# KiCad board PSEC5_Board.kicad_pcb (continued)
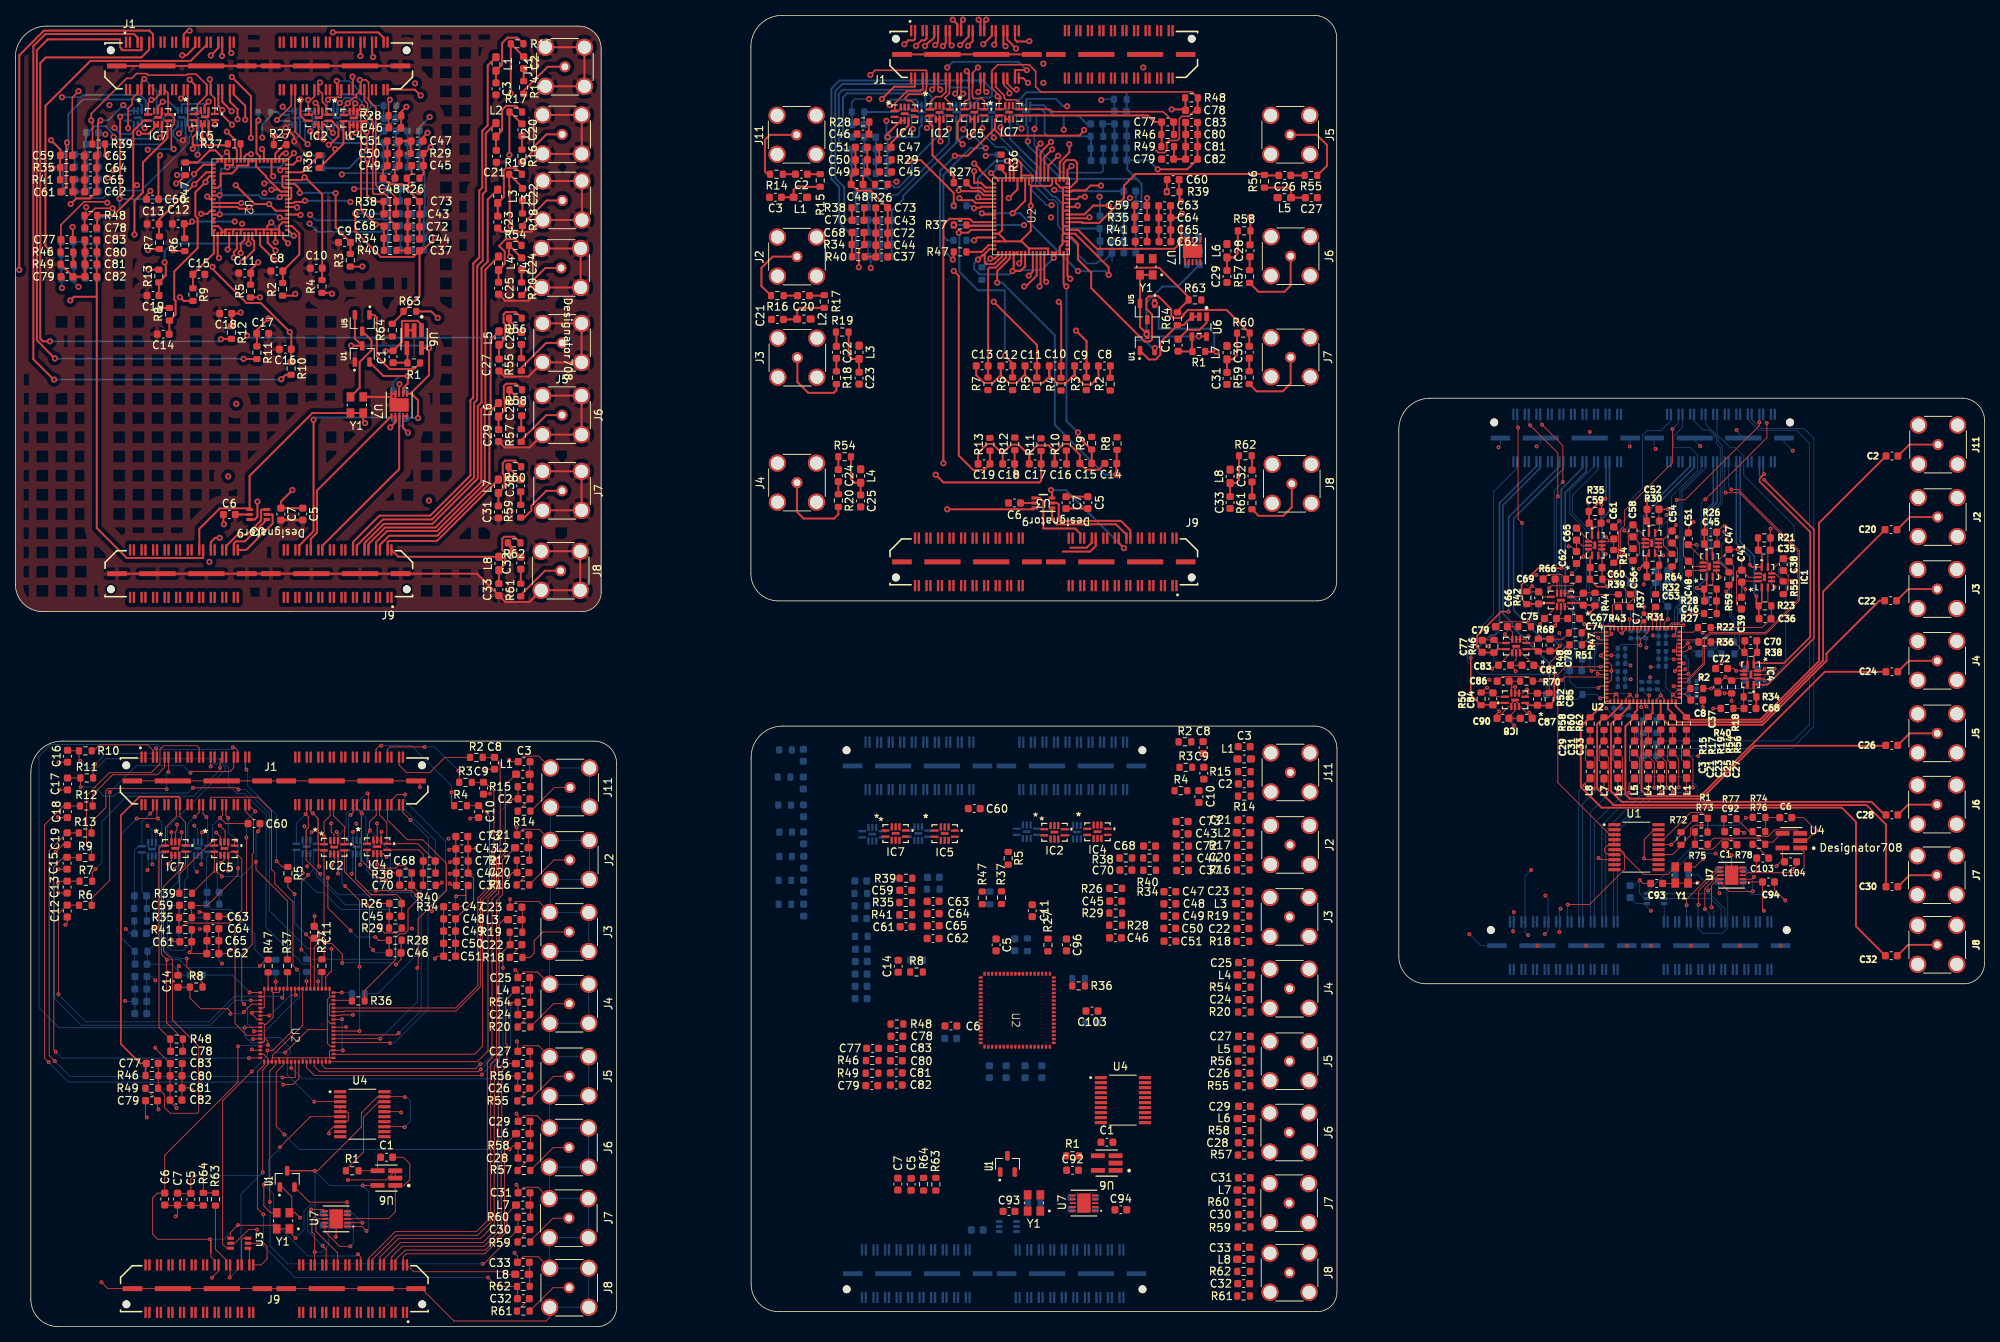
[diagram p0: board, top side]
## Routing (per net, layer and track width the routed paths; a pad name or vN(x,y) marks a point on that pad's centre or on a via; arc(x,y) is an arc through that point) (continued)
/ADC_Buffer/VDD33: length 50.9
  Top w0.25: v2(120.34,154.26) 120.32,154.26 120.21,154.37 120.22,154.38 IC2#5.4 IC2#5.3 ; IC4.4 IC4.3 113.45,155.23 v2(113.45,154.8) ; C44#3.2 C73#2.2 111.22,147.85 109.51,147.85 C48#2.2 108.71,149.72 C49#3.2 109.27,153.46 C51.2
  In1.Cu w0.25: v2(113.3,156.92) 113.71,157.33 v2(113.71,158.96)
  In2.Cu w0.25: 199.84,153.7 199.3,154.24 192.96,154.24
  Bottom w0.25: C41#5.2 113.45,150.12 v2(113.45,154.8) ; v2(113.45,154.8) 113.3,154.95 v2(113.3,156.92) ; v2(113.45,154.8) 117.36,154.8 117.57,155 117.57,156.01 117.88,156.32 IC1#5.9 ; IC1#5.4 IC1#5.3 117.38,159.4 117.11,159.67 113.86,159.67 113.71,159.52 v2(113.71,158.96)
GND: length 1361.1
  Top w0.1: 217.36,74.67 218.21,73.82 v1(218.21,70.15) ; 230.59,97.15 230.59,95.95 R55#5.2 ; 230.59,97.15 230.96,97.15 v1(231.06,97.05) ; 230.59,97.15 230.59,97.77 C38.2 ; 222.19,82.27 v1(222.34,82.42) ; v1(222.34,82.42) R18#2.2 ; v1(222.34,82.42) 222.29,82.47 C37#2.2 ; 32.25,42.87 32.37,43 U2#3.19 ; 32.25,42.87 32.15,42.97 U2#3.17 ; 32.25,42.87 32.37,42.75 32.37,41.6 32.25,41.47 U2#3.14 U2#3.13 30.9,40.97 v1(30.75,40.82) 30.75,40.7 31.47,39.97 U2#3.11 ; C94.2 228.82,56.87 v1(230.21,55.47) ; v1(38.92,53.42) 38.87,53.37 C11#2.2 39.6,51.37 39.6,50.12 38.87,49.39 U2#3.32 ; v1(41.67,11.67) 41.72,11.72 U7#3.11 42.22,14.52 U7#3.4 U7#3.5 ; C72#5.1 C37#4.2 56.76,57.41 v1(56.5,57.67) ; C72#5.1 56.66,60.58 v1(56.52,60.45) ; C72#5.1 57.3,60.63 C43#4.1 ; C12#2.2 6.74,52.54 v1(6.5,52.3) ; v1(210.51,70.02) 211.24,70.75 211.24,74.05 210.61,74.67 ; 209.79,103.44 209.79,101.86 C56.1 ; 209.79,103.44 209.79,103.71 C58.1 212.01,102.74 IC3.8 212.36,102.47 IC3.11 212.36,101.47 IC3.10 ; 209.79,103.44 209.44,103.44 v1(209.26,103.61) ; R29#4.2 49.63,51.24 48.01,51.24 v1(47.2,52.05) ; v1(65.17,18.47) 65.39,18.26 C31#2.2 66.11,18.14 67.97,18.14 J7.2 ; IC2#3.10 41.06,63.16 41.06,62.55 41.21,62.41 IC2#3.11 41.72,62.41 41.97,62.65 IC2#3.8 41.97,64.2 v1(41.77,64.4) ; J8#2.2 68.01,9.1 66.02,9.1 C33#2.2 65.3,9.22 v1(64.92,9.6) ; J2#4.2 68.12,64.73 65.97,64.73 C21#3.2 65.25,64.92 v1(65.17,65) ; v1(215.84,97.17) 215.49,97.52 R64#4.2 216.19,99.61 216.19,101.29 C54.2 ; R64#2.2 19.51,15.76 C6#2.2 ; J3#3.2 68.1,55.31 65.06,55.31 C23#3.2 64.34,55.61 v1(64.35,55.62) ; v1(61.22,72.42) 61.35,72.55 C8#5.2 ; v1(202.47,98.05) R66.2 201.07,97.9 199.34,97.9 C69.2 ; v1(227.51,84.1) 227.26,84.35 IC4#2.8 225.94,84.35 225.74,84.55 IC4#2.11 225.74,85.25 225.84,85.35 IC4#2.10 227.26,85.35 v1(227.51,85.6) ; v1(5.57,56.47) 5.62,56.43 C13#2.2 ; v1(222.54,95.65) 222.89,96 R59#3.2 223.51,97.14 223.51,98.96 C47#5.2 ; v1(198.29,91.42) 198.29,91.55 C75.1 200.44,93.69 IC6.8 200.54,94.05 IC6.11 201.54,94.05 IC6.10 201.92,93.69 C74.1 204.09,91.52 v1(204.09,91.42) ; U2#5.46 216.26,85.87 216.06,85.67 216.06,85.5 v1(215.86,85.3) ; J6#3.2 67.88,27.44 66.12,27.44 C29#5.2 65.4,27.5 v1(65.17,27.72) ; v1(207.61,90.15) 207.46,90.3 U2#5.19 207.46,90.02 207.31,89.87 U2#5.17 ; C79#5.2 193.15,91.72 196.52,91.72 ; 218.49,66.15 216.69,64.35 R72.1 216.66,64 v1(215.39,62.72) U1#2.16 ; IC1.8 227.04,98.02 IC1.11 227.04,97.02 IC1.10 224.68,97.02 C41.1 ; C18#2.2 5.61,66.24 v1(5.52,66.32) ; U2#5.40 216.26,88.87 216.06,88.67 216.06,87.95 ; v1(224.89,64.25) 224.71,64.42 C92.1 ; C10#3.2 59.27,66.25 v1(59.15,66.12) ; v1(31.42,12.62) 30.32,12.62 28.55,10.85 U3#2.5 ; v1(211.86,93.65) 211.84,93.62 C7#5.2 ; 215.56,74.67 216.36,73.87 v1(216.36,70.17) ; v1(64.22,73.75) 64.45,73.52 C3#3.2 66.12,74.25 68.07,74.25 J11.2 ; C41.1 224.56,96.42 v1(225.04,95.95) ; C41.1 224.26,96.6 ; C41.1 224.56,94.97 C39.1 ; v1(208.64,104.84) 207.91,104.11 C61#5.2 208.54,103.44 208.54,100.04 R14#3.2 ; C47#3.2 C48#5.1 55.7,51.48 C49.1 C50.1 55.69,48.22 C51#4.1 54.88,48.2 v1(54.57,47.9) ; C17#3.2 5.72,69.85 v1(5.7,69.87) ; v1(43.9,40.57) 42.37,40.57 42.27,40.47 U2#3.43 40.97,40.47 40.87,40.57 40.87,41.87 40.97,41.97 U2#3.40 ; IC4#3.10 46.66,63.22 46.66,62.61 46.8,62.47 IC4#3.11 47.32,62.47 47.56,62.71 IC4#3.8 47.56,64.33 v1(47.62,64.4) ; C73.1 C43#4.1 ; C43#4.1 56.53,62.18 v1(56.42,62.07) ; 216.06,87.95 216.06,87.42 216.11,87.37 U2#5.43 ; 216.06,87.95 v1(215.71,87.95) ; v1(219.54,60.87) 218.49,59.82 Y1#4.2 ; U2#5.3 U2#5.4 206.14,83.37 v1(205.91,83.15) ; v1(205.28,69.99) 205.46,70.17 205.46,74.05 204.84,74.67 ; R40#2.2 v1(220.84,80.45) ; v1(213.19,70.15) 213.19,73.45 212.41,74.22 212.41,74.67 ; C93#2.1 211.71,57.67 v1(211.29,58.1) ; J4#4.2 67.92,46.15 66.08,46.15 C25#5.2 65.36,46.06 v1(65.02,46.4) ; v1(208.95,70) 209.06,70.1 209.06,74.07 C29#2.2 ; v1(214.76,70.15) 214.76,73.47 214.01,74.22 214.01,74.67 ; C19#3.2 6.19,62.72 v1(5.25,61.77) ; C64#2.1 C65#2.1 24.92,48.57 C62#5.1 22.8,48.55 v1(22.65,48.7) 22.94,48.99 C61.2 22.94,50.1 R41.2 ; J8#2.2 69.5,1.19 69.04,0.73 57.06,0.73 52.86,4.94 J9.G1 J9.G8 12.03,4.94 v1(11.2,5.77) ; U4#3.16 50.07,27.97 v1(50.17,27.87) ; 222.85,99.42 222.86,99.44 ; C51#5.1 v1(218.66,101.76) ; C51#5.1 217.61,101.57 ; C51#5.1 217.72,101.87 ; C51#5.1 219.51,99.86 IC2#2.8 219.86,99.42 IC2#2.11 219.86,98.42 IC2#2.10 218,98.42 C48#4.1 217.64,96.99 v1(217.71,96.91) ; v1(20.3,64.35) IC7#5.10 ; C104.1 231.69,60.05 v1(231.16,59.52) ; 196.52,91.72 196.72,91.92 v1(196.82,91.92) ; 196.52,91.72 R68.2 ; v1(61.75,69.37) 61.67,69.3 C9#4.2 ; U2#3.46 43,38.97 v1(43.02,39) ; v1(5.62,59.52) 5.64,59.54 C15#3.2 ; v1(21.27,46.92) 21.14,46.79 C14#4.2 ; v1(219.51,80.65) 219.49,80.67 C8.2 ; J5#5.2 68.08,36.55 66.08,36.55 C27#4.2 65.36,36.99 v1(65.22,37.12) ; v1(56.52,58.95) 56.6,59.02 C44.1 ; C62#3.1 v1(203.95,100.2) 204.61,100.86 IC5#3.10 204.96,101.17 IC5#3.11 205.46,101.71 205,102.17 IC5#3.8 204.61,102.36 C65#5.1 ; U2#5.14 U2#5.13 206.74,87.87 v1(206.21,87.35) 206.69,86.87 U2#5.11 ; v1(20.85,14.35) 21.09,14.59 C7.2 ; U6#3.2 U6#3.3 48.23,19.1 v1(43.25,19.1) ; v1(192.1,85.62) 192.55,86.07 C83#4.1 194.54,87.7 IC7#2.8 194.71,88.05 IC7#2.11 195.71,88.05 IC7#2.10 195.9,87.7 C81#4.1 198,86.07 v1(198.47,85.6) ; C72#4.1 221.16,85.67 v1(222.04,86.55) ; v1(21.62,64.35) 21.62,63.41 IC7#5.8 21.3,62.48 21.06,62.24 IC7#5.11 ; v1(18.2,36.3) 18.2,36.2 C83#5.1 20.11,34.2 C82#3.1 20.11,29.28 v1(20.95,28.45) ; v1(23.95,53.95) 24.35,53.95 C63.1 ; v1(52.62,70.2) 52.62,70.51 J1#2.G8 J1#2.G7 J1#2.G1 ; v1(5.6,73.45) 5.61,73.46 C16.2 ; v1(193,80.07) 192.73,79.8 C90.1 194.25,80.7 IC8.8 194.58,81.05 IC8.11 195.58,81.05 IC8.10 195.78,80.7 C87.1 197.31,79.54 v1(196.93,79.92) ; 206.64,74.67 207.26,74.05 207.26,70.03 v1(207.08,69.85) ; C1#5.1 222.39,62.2 v1(223.24,61.34) U7#5.11 224.24,59.75 U7#5.5 U7#5.4 ; R49#3.2 18.48,29.45 C79#2.2 18.48,28.41 v1(18.62,28.27) ; v1(37.05,14.17) 36.4,14.82 Y1#3.2 35.96,15.14 35.96,16.9 34.7,18.16 U1#5.1 ; 213.96,90.67 U2#5.32 213.96,92.4 v1(214.04,92.47) ; v1(55.45,57.8) 55.08,57.43 R40.2 ; U2#3.4 U2#3.3 30.85,35.97 v1(30.75,36.07) ; U4.2 232.96,63.25 v1(234.29,64.57) 232.61,66.25 C6.2 ; IC5#2.8 27.69,62.47 27.44,62.23 IC5#2.11 26.93,62.23 26.78,62.37 26.78,62.98 IC5#2.10 26.69,63.73 v1(26.12,64.3) ; C86.2 193.38,84.62 196.75,84.62 R70.2 198.3,84 v1(198.43,84.12)
  Top w0.25: v2(45.09,158.7) 44.54,158.15 IC4#4.8 44.48,158.15 44.48,158.15 44.48,157.38 44.4,157.3 IC4#4.11 ; R40#5.2 111.88,139.24 C37#5.2 C73#2.1 ; C5.2 C7#3.2 ; U7#2.5 U7#2.4 152.63,140.48 U7#2.11 152.89,139.98 152.13,139.21 U7#2.6 ; J2#5.2 J2#5.2 J2#5.2 J2#5.2 ; C48#3.1 49.37,150.53 C49#2.1 49.93,154.28 C51#3.1 C47#2.2 51.43,154.23 R29#3.2 ; J7#3.2 J7#3.2 J7#3.2 J7#3.2 ; J11#5.2 J11#5.2 J11#5.2 J11#5.2 ; 148.8,141.19 C62#2.1 ; U2#4.3 U2#4.4 ; J3#4.2 J3#4.2 J3#4.2 J3#4.2 67.09,142.5 63.21,142.5 C23#2.2 ; R49#2.2 7.47,136.67 C79#3.2 C82#2.1 C83#3.1 ; U2.11 131.35,137.98 131.22,137.85 ; U6#4.2 U6#4.3 151.95,130.35 R64#5.2 151.14,130.3 148.94,128.09 148.94,126.49 148.31,125.87 147.44,125.87 U1#3.1 ; C61#4.2 147.21,142.77 R41#2.2 ; 128.42,113.55 128.42,112.28 ; 128.42,113.55 127.11,114.87 126.41,114.87 125.22,113.68 C19.2 ; 128.42,113.55 128.42,113.7 129.5,114.78 130.5,114.78 131.88,113.4 C17.2 131.88,113.65 132.9,114.68 134.4,114.68 135.18,113.9 C16#3.2 135.18,113.7 136.34,114.87 137.07,114.87 138.46,113.47 C15#2.2 139.26,111.53 140.91,111.53 C14#3.2 ; IC5#5.8 25.11,158.29 25.11,157.53 25.03,157.45 IC5#5.11 ; U2.46 132.35,149.73 132.27,149.81 130.87,149.81 130.85,149.79 U2.43 130.85,151.36 130.37,151.83 129.13,151.83 v2(128.99,151.69) 129.03,151.73 129.21,151.73 129.35,151.6 U2.40 ; U2.13 U2.14 129.85,137.5 v2(129.71,137.37) 130.74,137.37 131.22,137.85 ; U2.17 128.35,139.29 127.33,138.27 126.3,138.27 126.09,138.49 126.09,139.61 ; 131.22,137.85 131.3,137.93 ; U6.3 U6.2 ; C73#4.1 C37#3.2 50.99,140.05 R40#3.2 ; J1#3.G8 J1#3.G7 J1#3.G1 ; C27#3.2 63.64,123.65 66.73,123.65 J5.2 J5.2 J5.2 J5.2 ; IC2#4.11 39.76,157.35 39.92,157.5 39.92,158.19 IC2#4.8 ; C47#4.2 112.37,151.9 R29.2 ; 126.09,139.61 125.9,139.42 125.76,139.42 v2(125.21,138.87) ; 126.09,139.61 126.72,140.24 U2.19 ; J9#2.G8 J9#2.G1 60.04,97.99 C33#3.2 63.72,94.31 66.87,94.31 J8#5.2 J8#5.2 J8#5.2 J8#5.2 ; U2.4 135.21,139.74 ; 135.21,139.74 135.21,139.23 v2(135.07,139.09) 134.85,138.87 ; 135.21,139.74 U2.3 ; C48#2.1 110.26,149.72 C49#3.1 110.81,150.29 C51.1 ; Y1.2 147.94,139.08 ; v2(36.26,154.24) 36.26,154.91 v2(35.18,156) ; C25.2 63.7,133.51 66.73,133.51 J4.2 J4.2 J4.2 J4.2 ; U2#4.13 U2#4.14 ; U2#4.40 34.76,149.72 34.74,149.7 34.74,148.4 34.91,148.22 U2#4.43 35.86,148.22 35.89,148.2 35.89,146.85 35.76,146.72 U2#4.46 ; J1.G1 J1.G4 ; R49#4.2 150.71,152 C79.2 C82.1 C83#2.1 ; C13.2 124.98,123.83 126.01,122.8 127.15,122.8 128.18,123.84 C12.2 128.18,123.83 129.21,122.8 130.21,122.8 131.33,123.93 C11.2 131.33,123.83 132.36,122.8 133.65,122.8 134.48,123.64 C10.2 134.48,123.78 135.51,122.75 136.6,122.75 137.78,123.94 C9#3.2 137.78,123.79 138.97,122.6 139.95,122.6 140.88,123.54 C8#2.2 ; J6#5.2 J6#5.2 J6#5.2 J6#5.2 66.9,114.42 63.63,114.42 C29#4.2 ; 157.69,135.89 157.71,135.87 ; U3#3.5 C6#5.2 ; C63#4.1 9.01,152.3 C62#4.1 ; U7#4.5 U7#4.4 49.42,120.44 U7#4.11 48.87,121 Y1#2.2 ; C7#4.2 C5#3.2 ; U2.32 125.44,146.74 v2(125.21,146.96) ; C61#3.2 R41#4.2 ; IC7#3.11 18.81,157.37 19.04,157.6 19.04,158.21 IC7#3.8 ; C63#3.1 148.71,141.24 ; C6#4.2 U3.5
  Bottom w0.1: v1(212.72,49.58) 213.16,49.58 213.18,49.56 ; v1(230.21,55.47) 229.44,56.25 225.82,56.25 224.74,57.33 C34#3.2 224.73,57.94 C4#5.1 ; v1(200.84,90.27) 200.84,90.07 C13#4.2 ; R33#5.2 51.53,51.86 v1(51.57,51.82) ; C65#5.1 203.95,103.03 v1(203.95,100.2) ; C90.1 192.73,79.8 v1(193,80.07) 192.98,80.07 192.18,80.87 ; 24.93,53.4 C74#2.1 ; C74#2.1 24.7,53.21 R45#5.2 22.88,53.25 C69#3.2 ; C74#2.1 24.91,48.59 C71#2.1 ; v1(211.81,96.6) 211.81,96.82 C11#5.2 ; 212.64,84.41 v1(212.64,84.5) 212.54,84.4 C109.1 ; J8#2.2 J8#2.2 J8#2.2 J8#2.2 69.45,7.66 J7.2 J7.2 J7.2 J7.2 69.47,16.68 J6#3.2 J6#3.2 J6#3.2 J6#3.2 69.5,25.88 J5#5.2 J5#5.2 J5#5.2 J5#5.2 69.51,35.13 J4#4.2 J4#4.2 J4#4.2 J4#4.2 69.5,44.57 J3#3.2 J3#3.2 J3#3.2 J3#3.2 69.57,53.97 J2#4.2 J2#4.2 J2#4.2 J2#4.2 69.57,67.58 J11.2 J11.2 J11.2 J11.2 ; IC6#3.8 23.24,62.47 23.48,62.23 IC6#3.11 23.99,62.23 24.14,62.37 24.14,62.98 IC6#3.10 24.24,64.31 v1(24.25,64.32) ; 218.45,49.56 218.43,49.58 v1(217.99,49.58) ; v1(206.94,80.47) 207.9,79.51 208.91,79.51 208.91,79.52 ; IC8#2.8 17.27,62.39 17.52,62.14 IC8#2.11 18.04,62.14 18.24,62.34 18.24,62.96 IC8#2.10 v1(18.27,64.45) ; v1(204.33,49.58) 204.77,49.58 204.79,49.56 ; v1(204.56,107.22) 204.66,107.12 R41#5.2 ; J1#5.G5 210.04,114.6 v1(209.99,114.55) ; C87#3.1 14.34,42.33 v1(14.27,42.4) ; C17#4.2 216.09,95.42 v1(216.09,95.95) 215.41,95.27 C16#4.2 ; 224.8,49.56 224.78,49.58 v1(224.34,49.58) ; R24#4.2 v1(229.46,101.02) ; C62#3.1 203.06,98.64 v1(202.47,98.05) ; v1(198.47,85.6) 198,86.07 C80#5.1 ; J1#5.G8 193.15,114.66 v1(192.91,114.42) ; v1(196.93,79.92) 197.3,79.55 C88#2.1 ; v1(197.86,114.55) 198.42,115.1 J1#5.G7 ; v1(219.34,84.4) 218.94,84 C5#6.1 C102.1 C96#2.1 ; v1(213.01,89.95) 213.09,89.87 C118.1 ; v1(224.44,86.25) C43#5.1 C44#5.1 ; R29#5.2 221.29,102.1 222.31,103.12 v1(222.31,103.42) ; v1(212.16,88.35) 212.09,88.42 212.09,89.59 210.14,89.59 ; C118.1 C117.1 ; C118.1 C119.1 ; v1(56.32,63.5) 56.61,63.78 C41#3.1 57.29,57.49 C38#4.2 ; v1(23.97,51.72) 24.04,51.79 C76#2.1 ; C112.1 209.39,84.28 C111.1 ; C112.1 209.38,83.3 C113.1 ; C112.1 210.09,84.27 v1(210.11,84.25) ; v1(210.09,86.05) 209.84,86.3 C107.1 C106.1 C105.1 ; 209.68,79.52 208.91,79.52 ; 208.91,79.52 207.91,79.52 C95.1 ; C90#2.1 15.53,41.63 15.55,41.65 C89#4.1 ; C101.1 C100#2.1 C99.1 213.66,85.85 v1(212.71,85.85) ; v1(54.17,54.05) 54.78,54.65 C54#5.2 55.72,54.64 C58#2.1 ; v1(229.61,49.58) 230.05,49.58 230.07,49.56 ; J1#5.G2 223.89,116.54 v1(223.89,116.67) ; v1(55.45,57.8) 55.09,57.44 R24#3.2 ; C9#5.2 221.54,86.55 v1(222.04,86.55) 222.04,86.52 C72#4.1 ; v1(217.71,96.91) 217.64,96.99 C48#4.1 ; v1(219.45,90.3) 220.51,89.25 ; v1(20.3,64.35) v1(21.62,64.35) ; C19#5.2 213.49,74.3 C18#5.2 ; v1(14.35,51.75) 14.94,51.16 C86#4.2 15.49,52.77 R53#2.2 ; J1#5.G4 213.16,114.42 v1(213.36,114.22) ; IC1#2.10 44.79,63.18 44.79,62.57 44.64,62.42 IC1#2.11 44.13,62.42 43.88,62.67 IC1#2.8 43.88,64.36 v1(43.92,64.4) ; C51#5.1 v1(218.66,101.76) ; C34#4.2 C4#4.1 41.61,11.73 v1(41.67,11.67) ; C14#5.2 202.19,83.99 203.03,83.15 v1(205.91,83.15) ; v1(38.55,64.35) 38.36,64.16 IC3#5.10 38.33,63.29 38.33,62.63 38.17,62.47 IC3#5.11 37.61,62.47 37.36,62.71 IC3#5.8 ; C91#2.1 210.59,57.4 v1(211.29,58.1) 211.29,56.4 211.99,55.7 U3#5.5 ; J1#5.G3 218.43,115.33 v1(219.16,114.6) ; C56.1 211.04,101.86 211.04,103.71 C58.1 209.99,104.34 v1(209.26,103.61) ; C18#5.2 213.51,73.85 ; C18#5.2 v1(218.89,74.27) ; v1(198.29,91.42) 198.89,92.02 C75.1 198.14,92.9 R45#2.2 ; v1(192.1,85.62) 192.55,86.07 C83#4.1 192.32,86.67 R49#5.2 ; C110.1 C108.1 ; 215.64,88.02 v1(215.71,87.95) ; R33.2 213.95,104.79 v1(214.79,105.62) ; 210.06,49.56 210.04,49.58 v1(209.6,49.58) ; v1(207.74,98.05) 208.49,97.3 C12#5.2 ; v1(231.19,114) 230.05,115.13 J1#5.G1 ; C15#4.2 199.14,83.41 v1(198.43,84.12) ; 193.17,49.56 190.64,49.56 v1(189.14,51.07) ; J1#5.G6 204.77,116.43 v1(204.79,116.45) ; v1(197.98,49.58) 198.42,49.58 198.44,49.56 ; C74.1 203.47,92.05 v1(204.09,91.42) ; v1(225.04,95.95) 225.04,95.45 C39.1 224.56,94.97 C41.1 224.26,96.6 ; 219.49,80.67 v1(219.51,80.65)
  Bottom w0.25: C71#3.1 9.26,152.55 C74#3.1 7.73,152.57 C69#2.2 7.72,150.98 R45#4.2 ; C71.1 144.18,144.51 C74#5.1 C69#5.2 142.68,144.49 R45.2 ; IC8#3.10 15.42,155.68 14.96,155.22 13.69,155.22 v2(12.9,156.01) ; C90#3.1 9.12,141.13 C89#5.1 C86#2.2 7.52,139.65 R53.2 ; R24.2 49.52,154.07 C38#3.2 C42#3.1 51.01,150.95 C41#4.1 ; C90#5.1 142.97,151.85 C89#2.1 C86#3.2 141.5,156.44 R53#3.2 ; IC3#3.11 36.93,157.3 37,157.23 37,156.47 IC3#3.8 37.03,155.17 36.26,154.4 v2(36.26,154.24) ; v2(16.81,155.97) 16.42,156.36 IC8#3.8 16.41,156.48 16.41,157.17 16.26,157.32 IC8#3.11 ; IC1#4.10 44.57,158.17 v2(45.09,158.7) 45.09,159.35 44.07,160.37 42.3,160.37 41.39,159.46 IC1#4.8 41.41,158.15 41.41,157.39 41.48,157.32 IC1#4.11 ; v2(125.21,138.87) 124.71,138.37 124.71,137.64 125.41,136.94 129.29,136.94 v2(129.71,137.37) 129.84,137.5 133.48,137.5 v2(135.07,139.09) ; R24#2.2 110.43,154.77 C38#2.2 C42#5.1 111.95,154.75 C41#5.1 ; IC6#5.10 21.14,156.22 20.56,155.64 20.56,154.97 21.14,154.4 v2(21.79,154.4) 22.14,154.75 IC6#5.8 22.13,156.53 22.13,157.13 21.89,157.37 IC6#5.11 ; 131.81,158.07 IC8#4.11 ; IC3#4.8 122.88,157.23 122.88,157.99 122.81,158.05 IC3#4.11 ; v2(128.99,151.69) 127.45,151.69 125.21,149.45 v2(125.21,146.96) ; v2(35.18,156) 35.63,156.45 IC3#3.10 ; IC8#4.8 131.99,157.23 ; IC1#5.8 118.37,157.21 ; C58#3.1 112.45,143.99 C55.1 112.41,144.03 C54#3.2 110.95,143.98 R33#3.2 ; C34.2 154.01,141.75 C4#2.1
VDD: length 139.7
  Top w0.1: 212.46,90.7 U2#5.29 212.46,90.47 211.36,89.37 v1(211.36,88.67) ; U2#3.44 42.47,39.97 v1(42.5,40) ; 38.37,34.87 38.27,34.97 37.47,34.97 37.37,34.87 ; 38.37,34.87 38.47,34.97 39.27,34.97 39.37,34.87 ; 38.37,34.87 U2#3.60 ; 33.47,34.97 33.37,34.87 U2#3.70 U2#3.71 ; 33.47,34.97 33.47,35.32 37.37,39.22 U2#3.29 U2#3.28 U2#3.27 36.37,43.25 v1(36.47,43.15) ; 33.47,34.97 34.27,34.97 34.37,34.87 U2#3.68 34.27,34.57 34.27,34.95 34.3,34.97 35.27,34.97 35.37,34.87 ; v1(215.71,86.85) 215.74,86.87 U2#5.44 ; v1(208.21,82.35) 208.19,82.37 U2#5.2 ; v1(208.21,82.35) 208.46,82.1 U2#5.70 ; v1(208.21,82.35) 207.96,82.1 U2#5.71 ; J9.50 27.93,6.45 v1(27.87,6.4) ; U2#5.62 212.46,82.1 v1(212.51,82.15) ; 37.37,34.87 37.27,34.97 35.47,34.97 35.37,34.87 ; 37.37,34.87 U2#3.62 ; 39.37,34.87 U2#3.58 ; 39.37,34.87 39.47,34.97 40.27,34.97 40.37,34.87 ; U2#3.71 32.87,34.12 32.17,33.42 v1(32.17,20.07) ; U2#3.71 32.87,34.87 32.27,35.47 U2#3.2 ; U2#5.60 213.46,81.6 v1(214.01,82.15) 214.46,81.7 U2#5.58 ; U2#3.12 v1(33.02,40.47) ; C7#5.1 211.07,91.82 v1(211.01,91.87) ; C7#5.1 211.96,91.69 U2#5.28 211.91,90.82 ; C7#5.1 211.46,91.44 U2#5.27 211.46,90.7 ; U2#5.56 215.46,82.1 v1(215.61,82.25) ; 129.92,50 129.99,50.08 ; U2#2.27 U2#2.29 ; 35.37,34.87 U2#3.66 ; v1(215.61,82.25) 215.99,81.87 U2#5.54 ; v1(215.61,82.25) 216.24,82.87 U2#5.52 ; v1(23.3,19.65) 22.82,19.17 C5#4.1 21.12,17.34 C7.1 ; 40.37,34.87 U2#3.56 ; 40.37,34.87 40.47,34.97 U2#3.54 40.97,34.97 40.87,35.07 40.87,35.87 40.97,35.97 U2#3.52 42.57,35.97 v1(42.6,35.95) ; U2#5.12 206.99,87.35 v1(207.61,87.35) ; U2#5.66 210.46,81.8 v1(210.01,82.25) 209.46,81.7 U2#5.68
  Top w0.25: 136.21,100.87 139.8,100.87 140.52,101.59 J9#3.30
  Bottom w0.1: C100#2.2 C99.2 214.69,83.17 v1(215.61,82.25) ; C100#2.2 215.66,86.9 v1(215.71,86.85) ; C100#2.2 C101.2 ; 213.99,82.27 214.01,82.25 v1(214.01,82.15) 214.01,82.51 C110.2 C108.2 212.33,82.15 v1(212.51,82.15) ; 194.87,52.65 194.5,52.65 194.41,52.75 194.37,52.7 194.37,52.65 ; 194.87,52.65 194.87,51.5 v1(194.81,51.45) ; 194.87,52.65 194.87,53.9 v1(194.91,53.95) ; v1(23.3,19.65) 31.75,19.65 v1(32.17,20.07) 29.35,17.25 29.35,7.87 v1(27.87,6.4) ; C106.2 C107.2 ; C106.2 C105.2 208.96,88.8 211.24,88.8 v1(211.36,88.67) ; C106.2 208.36,87.35 v1(207.61,87.35) ; 209.86,80.52 209.91,80.47 ; 209.91,80.47 209.91,82.14 v1(210.01,82.25) 209.89,82.37 208.24,82.37 v1(208.21,82.35) 207.91,82.04 207.91,80.47 209.91,80.47 ; v1(42.6,35.95) 42.5,36.05 v1(42.5,40) ; 212.54,82.92 C109.2 ; v1(36.47,43.15) 35.78,43.15 33.11,40.47 v1(33.02,40.47)
VDD18: length 109.8
  Top w0.1: v1(226.16,58.52) 225.89,58.25 U7#5.2 ; J9.52 27.43,8.66 26.03,10.06 R63#3.1 ; U7#5.10 222.89,56.65 v1(225.99,56.65)
  Top w0.25: R63.1 54.09,132.12 v2(54.94,131.27) ; v2(26.56,102.65) 25.96,102.65 25.42,102.11 J9#2.52 ; J9#3.32 140.02,102.04 139.35,101.37 137.21,101.37
  In1.Cu w0.25: v2(54.94,131.27) 54.94,108.65 v2(53.79,107.5)
  In2.Cu w0.25: v2(53.79,107.5) 51.41,107.5 46.56,102.65 v2(26.56,102.65)
  Bottom w0.1: R71.1 191.93,84 v1(191.73,84.2) ; R67.1 198.12,97.82 v1(197.82,97.82) ; 199.37,52.65 199.37,55.74 v1(199.01,56.1) ; 199.37,52.65 199.37,51.53 v1(198.94,51.1) ; 199.37,52.65 198.87,52.65 ; 223.24,82.35 R20#5.1 v1(223.24,81.45) ; v1(191.35,90.5) 191.95,91.1 R69.1 ; R16#5.1 v1(207.19,104.84) ; v1(231.46,98.37) 231.44,98.35 R57#5.1 ; R61#5.1 221.91,100.51 221.91,101.82 v1(222.56,102.47) ; v1(216.11,102.77) 216.11,102.56 R63#5.1 ; v1(225.99,56.65) 225.99,58.35 v1(226.16,58.52) 225.19,59.5 C34#3.1 223.25,59.5 C4#5.2 v1(221.16,61.57) 217.99,61.57 215.94,59.53 R65#2.1
VDD25: length 320.3
  Top w0.1: 40.57,38.65 40.57,36.87 40.97,36.47 U2#3.51 ; 40.57,38.65 38.07,38.65 v1(35.1,35.67) ; 40.57,38.65 40.57,39.87 ; v1(217.01,86.33) 216.97,86.37 U2#5.45 ; U7#5.1 224.81,57.87 C94.1 227.27,54.29 v1(227.44,54.12) ; U7#3.1 45.1,13.02 v1(45.67,12.45) ; 230.39,60.5 229.86,61.02 U4.5 ; J9.56 25.93,8.6 25.42,9.11 25.42,11.21 25.42,9.57 25.42,11.26 v1(25.31,11.37) 18.5,11.37 17.82,12.05 17.82,16.72 18.48,17.38 C6#2.1 19.43,22.31 28.95,31.82 v1(28.95,36.47) ; C104.2 229.66,60.5 v1(229.09,59.92) ; 32.37,37.62 32.37,37.07 32.27,36.97 U2#3.5 ; 32.37,37.62 32.37,39.32 ; 32.37,37.62 32.85,37.14 v1(32.85,36.65) ; v1(218.83,57.79) 218.76,57.72 Y1#4.1 Y1#4.4 215.87,57.67 C93#2.2 ; v1(218.83,57.79) 218.86,57.82 ; v1(218.83,57.79) 218.83,57.63 ; U2#5.23 209.46,90.7 v1(209.01,90.25) 208.74,90.25 208.46,90.52 U2#5.21 ; U2#5.51 215.71,83.37 v1(215.69,83.35) ; U2#5.10 207.31,86.37 207.61,86.07 v1(207.61,85.35) 207.61,84.17 207.31,83.87 U2#5.5 ; 40.97,42.97 40.87,43.07 U2#3.36 ; 40.97,42.97 40.57,42.57 40.57,39.87 ; 40.97,42.97 U2#3.38 ; U2#5.38 215.79,89.87 v1(215.71,89.95) 215.96,90.2 U2#5.36 ; U3#2.4 28,12.27 v1(28.95,13.22) 28.97,13.2 33.52,13.2 Y1#3.4 Y1#3.1 35.64,12.33 v1(36.45,11.52) ; 40.57,39.87 40.97,39.47 U2#3.45 ; v1(50.67,29.87) 50.62,29.92 U4#3.19 47.11,29.92 45,27.81 45,25.97 39.31,20.28 U1#5.3 35.35,20.28 v1(38.95,20.28) ; 33.52,43.47 33.52,40.27 32.58,39.32 32.37,39.32 ; 33.52,43.47 34.27,43.47 34.37,43.57 U2#3.23 ; 33.52,43.47 33.37,43.62 U2#3.21 ; v1(50.62,25.95) 50.55,26.02 U4#3.13 ; v1(45.17,18.37) 45.18,18.38 U6#3.5 ; 32.37,39.32 32.37,39.37 32.27,39.47 U2#3.10 ; U1#2.19 213.15,64.67 211.86,63.38 v1(211.86,60.95) 212.04,60.77 U1#2.13
  Top w0.25: U6#4.5 154.91,128.87 v2(153.94,128.87) ; 51.46,121.48 53.8,123.82 53.8,124.61 53.81,124.63 v2(53.81,127.35) 53.79,127.37 U6.5 ; 51.46,121.48 51.37,121.39 U7#4.1 ; 51.46,121.48 52.37,120.57 v2(52.37,118.24) ; v2(43.69,127.67) 43.71,127.65 U1#4.3 44.16,128.6 U5.2 ; U1#3.3 146.28,130.09 U5#2.2 146.28,136.88 Y1.4 Y1.1 ; J9#2.56 23.92,103.81 26.6,106.49 30.32,106.49 U3#3.4 30.47,110.73 38.64,118.9 Y1#2.4 Y1#2.1 45.24,117.85 v2(45.49,117.6) ; J9#3.36 138.52,103.19 137.85,103.87 133.71,103.87 133.71,107.39 133.26,107.84 U3.4
  In2.Cu w0.25: v2(45.49,117.6) 46.13,118.24 v2(52.37,118.24)
  Bottom w0.1: v1(45.67,12.45) 45.97,12.75 45.97,17.57 v1(45.17,18.37) 40.86,18.37 v1(38.95,20.28) 38.96,20.27 38.96,15.85 ; 200.87,52.65 200.87,54.28 v1(200.99,54.4) ; 200.87,52.65 200.37,52.65 ; 200.87,52.65 200.87,51.38 v1(200.84,51.35) ; v1(215.69,83.35) 215.71,83.35 216.04,83.02 217.71,83.02 ; 38.96,15.85 38.96,14.29 R25#4.1 ; 38.96,15.85 38.35,15.85 37.55,15.04 37.55,12.62 v1(36.45,11.52) ; v1(209.01,90.25) 209.32,90.55 C115.2 C114.2 C116.2 ; v1(25.31,11.37) 27.1,11.37 v1(28.95,13.22) ; 217.71,83.02 217.71,82.05 ; 217.71,83.02 217.71,84 ; R25#3.1 221.56,56.5 v1(221.66,56.4) ; v1(28.95,36.47) 29.05,36.57 31.97,36.57 32.04,36.65 v1(32.85,36.65) 33.83,35.67 v1(35.1,35.67) ; v1(207.61,85.35) 208.33,85.35 208.43,85.25 208.43,84.28 C112.2 208.42,83.3 208.43,83.3 ; C91#2.2 210.84,55.05 U3#5.4 212.21,54.65 v1(212.74,54.12) ; v1(215.71,89.95) 215.64,89.87 C118.2 ; C118.2 C117.2 ; C118.2 C119.2 ; v1(50.67,29.87) 50.87,29.87 51.37,29.37 51.37,26.7 v1(50.62,25.95)
  Bottom w0.25: R25#2.1 151.18,135.35 149.19,135.35 147.13,133.28 v2(147.13,129.14) 147.4,128.87 v2(153.94,128.87) ; v2(53.81,127.35) 53.49,127.67 v2(43.69,127.67) ; R25.1 50.86,118.24 v2(52.37,118.24)
VDD33: length 426.1
  Top w0.1: IC5#2.9 27.27,63.17 27.27,64.52 v1(26.57,65.22) ; C83#4.2 194.48,86.07 C81#4.2 ; C83#4.2 195.21,86.81 IC7#2.9 ; C83#4.2 195.15,85.4 ; 26.46,52.22 26.45,52.21 C62#5.2 ; IC5#2.3 IC5#2.4 27.19,60.79 v1(26.75,60.35) ; C41.2 224.08,98.45 223.86,98.22 223.86,94.02 224.51,93.37 ; C41.2 224.56,99.72 v1(224.51,99.77) ; C41.2 225.48,97.52 IC1.9 ; v1(194.98,78.2) 194.28,78.9 C90.2 ; v1(47.05,65.5) 47.06,65.49 IC4#3.9 ; C73.2 58.89,63.74 C44.2 59.27,59.02 59.07,58.82 59.6,58.3 59.6,55.42 C48#5.2 57.26,53.06 C51#4.2 ; C75.2 C74.2 ; C75.2 200.44,91.37 v1(200.29,91.22) ; C75.2 201.04,92.74 IC6.9 ; C63.2 27.61,53.39 v1(27.67,53.45) ; C81#2.2 22.7,31.07 v1(22.92,30.85) ; C83#5.2 21.66,34.2 C82#3.2 ; v1(196.63,82.92) 196.15,82.45 IC8.3 IC8.4 ; C62#5.2 26.45,48.07 26.47,48.05 ; C62#5.2 27.45,48.55 v1(27.95,49.05) ; IC4#3.3 IC4#3.4 47.06,60.19 v1(47.07,60.17) ; v1(205.92,61) 206.14,60.77 U1#2.8 ; v1(218.29,104.7) 217.61,104.02 C51#5.2 216.99,102.69 216.99,100.26 C48#4.2 218.33,98.92 IC2#2.9 ; 211.23,101.97 211.23,100.51 C56.2 210.06,99.69 v1(209.24,100.51) ; 211.23,101.97 C58.2 ; 211.23,101.97 IC3.9 ; IC6.4 IC6.3 202,95.45 v1(202.39,95.85) ; C87.2 C88#2.2 C90.2 ; v1(19.87,60.22) 20.3,60.65 IC7#5.3 IC7#5.4 ; IC4#2.4 IC4#2.3 v1(223.84,85.35) 223.54,85.65 C72#4.2 222.84,85.65 ; v1(221.69,97.54) 221.26,97.96 IC2#2.3 IC2#2.4 ; IC5#3.4 IC5#3.3 206.36,101.04 v1(206.86,100.54) ; IC2#3.3 IC2#3.4 41.47,60.37 v1(41.15,60.05) ; IC4#2.9 228.06,84.85 v1(228.84,85.62) ; J9.54 26.43,7.23 v1(25.57,6.37) ; IC3.4 IC3.3 213.76,100.94 v1(214.34,100.36) ; v1(202.04,101.54) 202.39,101.54 C62#3.2 C65#5.2 203.75,101.67 IC5#3.9 ; IC8.9 195.08,80.14 194.28,79.34 C90.2 ; v1(228.81,96.27) 228.44,96.65 IC1.3 IC1.4 ; v1(40.8,25.15) 40.8,25.45 41.37,26.02 U4#3.8 ; v1(21.02,65.35) 21.02,64.62 20.8,64.4 IC7#5.9 ; v1(41.07,65.5) 41.07,64.39 41.47,64 IC2#3.9 ; v1(196.85,89.85) 196.45,89.45 IC7#2.3 IC7#2.4 ; C43#4.2 59.83,62.18 v1(59.95,62.3)
  Top w0.25: v2(16.06,155.31) 16.13,155.25 17.32,155.25 IC7#3.4 IC7#3.3 ; v2(24.31,154.47) 24.31,156.24 IC5#5.4 IC5#5.3 ; v2(44.22,159.2) 43.99,158.96 IC4#4.9 ; v2(11.07,156.97) 10.73,156.63 10.73,152.58 C63#4.2 10.56,152.3 C62#4.2 9.68,146.81 7.9,146.81 v2(7.19,146.1) ; 10.59,134.02 7.61,134.02 v2(7.14,133.55) ; 10.59,134.02 10.59,103.92 14.48,100.03 24.4,100.03 24.42,100.06 J9#2.54 ; 10.59,134.02 C82#2.2 C83#3.2 ; IC5#5.9 24.62,158.91 v2(25.14,159.42) ; v2(19.16,159.41) 18.55,158.79 IC7#3.9 ; v2(39.14,154.93) 39.43,155.21 IC2#4.4 IC2#4.3 ; C44#4.2 C73#4.2 50.33,148.66 48.62,148.66 C48#3.2 47.82,150.53 C49#2.2 48.38,154.28 C51#3.2 ; IC2#4.9 39.43,158.87 v2(39.05,159.26) ; v2(43.4,154.77) 43.49,154.86 IC4#4.3 IC4#4.4 ; v2(14.04,158.97) 14.01,158.97